# Altium PCB CHAHARDOLI-7 ADAD METAL.PcbDoc (part 2 of 11) (continued)
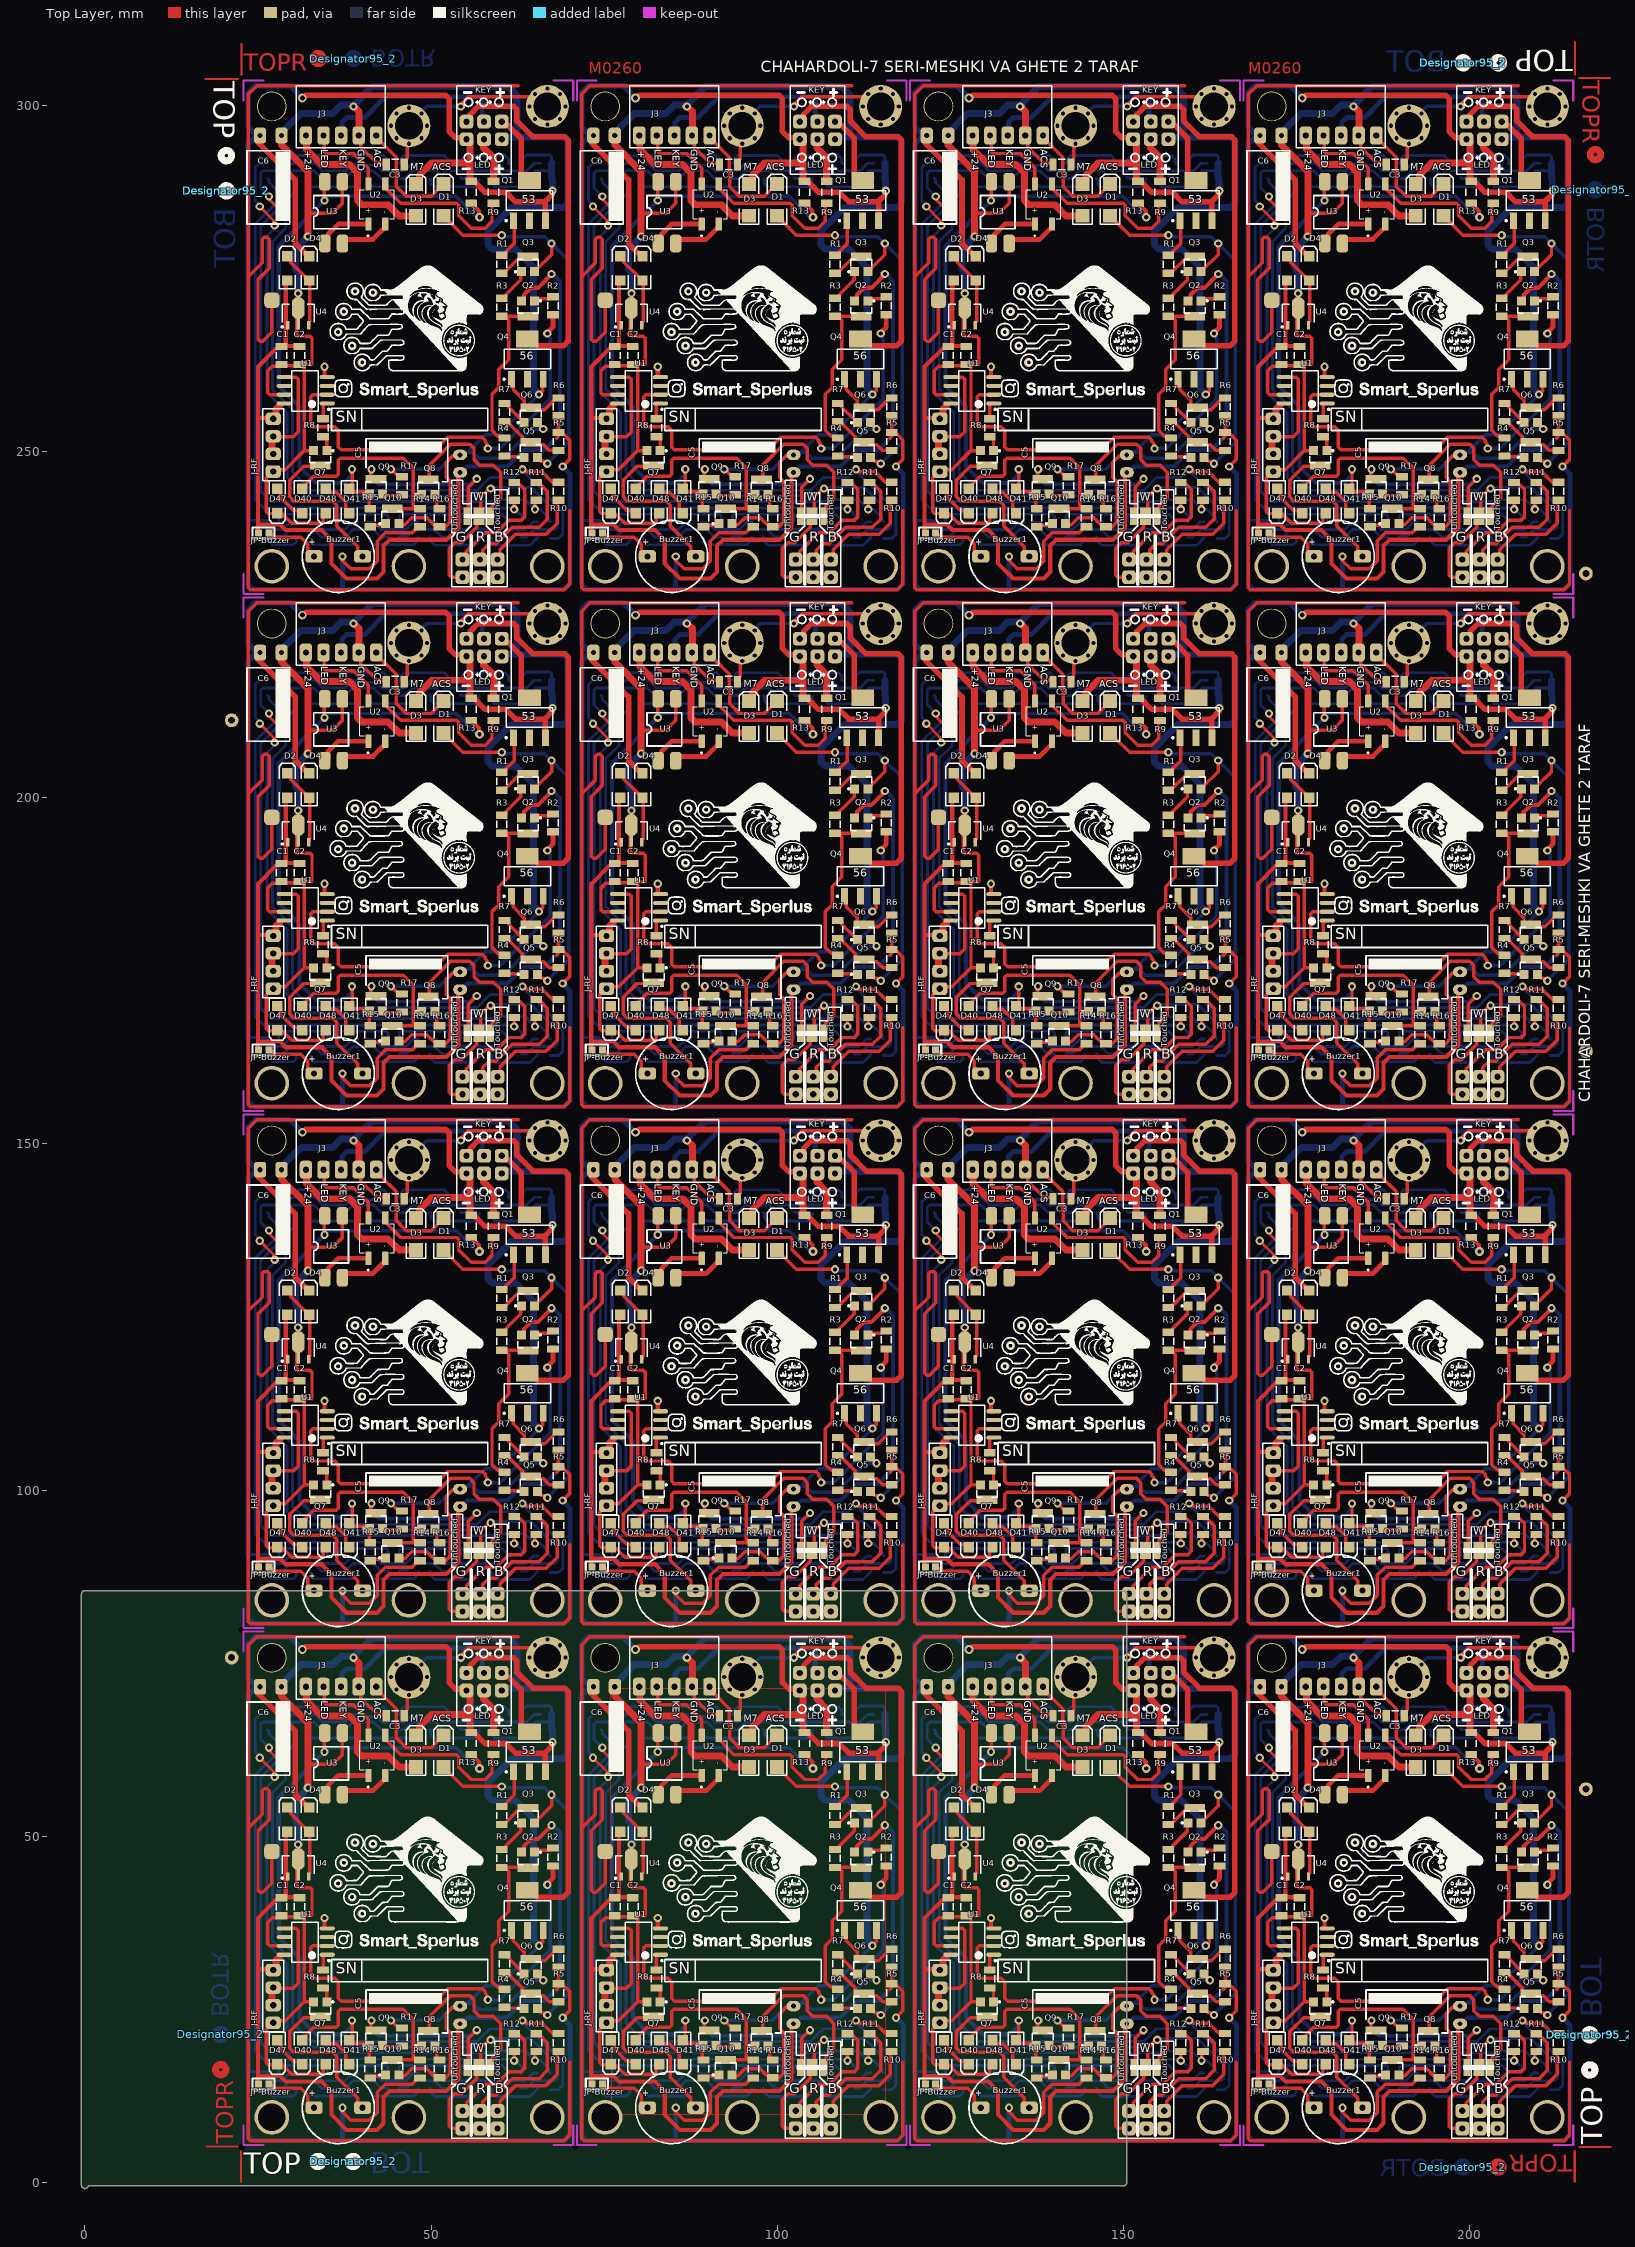
[diagram p0: Top Layer view]
## Components (designator, comment, footprint, x,y, rotation, side; value= is the part's Value field where it differs from the comment) (continued)
R "LED2" "RES 0805 (2012X06L)" 79.545,289.464 r180 bottom (schematic designator 2)
R1 "10K" "RES 1206 (3216X08L)"#1 108.345,53 r90 top
R1 "10K" "RES 1206 (3216X08L)"#1 60.2,53 r90 top
R1 "10K" "RES 1206 (3216X08L)"#1 156.49,53 r90 top
R1 "10K" "RES 1206 (3216X08L)"#1 204.635,53 r90 top
R1 "10K" "RES 1206 (3216X08L)"#1 204.635,127.688 r90 top
R1 "10K" "RES 1206 (3216X08L)"#1 156.49,127.688 r90 top
R1 "10K" "RES 1206 (3216X08L)"#1 60.2,127.688 r90 top
R1 "10K" "RES 1206 (3216X08L)"#1 108.345,127.688 r90 top
R1 "10K" "RES 1206 (3216X08L)"#1 204.635,202.376 r90 top
R1 "10K" "RES 1206 (3216X08L)"#1 156.49,202.376 r90 top
R1 "10K" "RES 1206 (3216X08L)"#1 60.2,202.376 r90 top
R1 "10K" "RES 1206 (3216X08L)"#1 108.345,202.376 r90 top
R1 "10K" "RES 1206 (3216X08L)"#1 204.635,277.064 r90 top
R1 "10K" "RES 1206 (3216X08L)"#1 156.49,277.064 r90 top
R1 "10K" "RES 1206 (3216X08L)"#1 60.2,277.064 r90 top
R1 "10K" "RES 1206 (3216X08L)"#1 108.345,277.064 r90 top
R2 "10K" "RES 1206 (3216X08L)"#1 115.745,47 r90 top
R2 "10K" "RES 1206 (3216X08L)"#1 67.6,47 r90 top
R2 "10K" "RES 1206 (3216X08L)"#1 163.89,47 r90 top
R2 "10K" "RES 1206 (3216X08L)"#1 212.035,47 r90 top
R2 "10K" "RES 1206 (3216X08L)"#1 212.035,121.688 r90 top
R2 "10K" "RES 1206 (3216X08L)"#1 163.89,121.688 r90 top
R2 "10K" "RES 1206 (3216X08L)"#1 67.6,121.688 r90 top
R2 "10K" "RES 1206 (3216X08L)"#1 115.745,121.688 r90 top
R2 "10K" "RES 1206 (3216X08L)"#1 212.035,196.376 r90 top
R2 "10K" "RES 1206 (3216X08L)"#1 163.89,196.376 r90 top
R2 "10K" "RES 1206 (3216X08L)"#1 67.6,196.376 r90 top
R2 "10K" "RES 1206 (3216X08L)"#1 115.745,196.376 r90 top
R2 "10K" "RES 1206 (3216X08L)"#1 212.035,271.064 r90 top
R2 "10K" "RES 1206 (3216X08L)"#1 163.89,271.064 r90 top
R2 "10K" "RES 1206 (3216X08L)"#1 67.6,271.064 r90 top
R2 "10K" "RES 1206 (3216X08L)"#1 115.745,271.064 r90 top
R3 "10K" "RES 1206 (3216X08L)"#1 108.345,46.8 r90 top
R3 "10K" "RES 1206 (3216X08L)"#1 60.2,46.8 r90 top
R3 "10K" "RES 1206 (3216X08L)"#1 156.49,46.8 r90 top
R3 "10K" "RES 1206 (3216X08L)"#1 204.635,46.8 r90 top
R3 "10K" "RES 1206 (3216X08L)"#1 204.635,121.488 r90 top
R3 "10K" "RES 1206 (3216X08L)"#1 156.49,121.488 r90 top
R3 "10K" "RES 1206 (3216X08L)"#1 60.2,121.488 r90 top
R3 "10K" "RES 1206 (3216X08L)"#1 108.345,121.488 r90 top
R3 "10K" "RES 1206 (3216X08L)"#1 204.635,196.176 r90 top
R3 "10K" "RES 1206 (3216X08L)"#1 156.49,196.176 r90 top
R3 "10K" "RES 1206 (3216X08L)"#1 60.2,196.176 r90 top
R3 "10K" "RES 1206 (3216X08L)"#1 108.345,196.176 r90 top
R3 "10K" "RES 1206 (3216X08L)"#1 204.635,270.864 r90 top
R3 "10K" "RES 1206 (3216X08L)"#1 156.49,270.864 r90 top
R3 "10K" "RES 1206 (3216X08L)"#1 60.2,270.864 r90 top
R3 "10K" "RES 1206 (3216X08L)"#1 108.345,270.864 r90 top
R4 "10K" "RES 1206 (3216X08L)"#1 108.745,26.6 r270 top
R4 "10K" "RES 1206 (3216X08L)"#1 60.6,26.6 r270 top
R4 "10K" "RES 1206 (3216X08L)"#1 156.89,26.6 r270 top
R4 "10K" "RES 1206 (3216X08L)"#1 205.035,26.6 r270 top
R4 "10K" "RES 1206 (3216X08L)"#1 205.035,101.288 r270 top
R4 "10K" "RES 1206 (3216X08L)"#1 156.89,101.288 r270 top
R4 "10K" "RES 1206 (3216X08L)"#1 60.6,101.288 r270 top
R4 "10K" "RES 1206 (3216X08L)"#1 108.745,101.288 r270 top
R4 "10K" "RES 1206 (3216X08L)"#1 205.035,175.976 r270 top
R4 "10K" "RES 1206 (3216X08L)"#1 156.89,175.976 r270 top
R4 "10K" "RES 1206 (3216X08L)"#1 60.6,175.976 r270 top
R4 "10K" "RES 1206 (3216X08L)"#1 108.745,175.976 r270 top
R4 "10K" "RES 1206 (3216X08L)"#1 205.035,250.664 r270 top
R4 "10K" "RES 1206 (3216X08L)"#1 156.89,250.664 r270 top
R4 "10K" "RES 1206 (3216X08L)"#1 60.6,250.664 r270 top
R4 "10K" "RES 1206 (3216X08L)"#1 108.745,250.664 r270 top
R5 "10K" "RES 1206 (3216X08L)"#1 116.545,27.4 r90 top
R5 "10K" "RES 1206 (3216X08L)"#1 68.4,27.4 r90 top
R5 "10K" "RES 1206 (3216X08L)"#1 164.69,27.4 r90 top
R5 "10K" "RES 1206 (3216X08L)"#1 212.835,27.4 r90 top
R5 "10K" "RES 1206 (3216X08L)"#1 212.835,102.088 r90 top
R5 "10K" "RES 1206 (3216X08L)"#1 164.69,102.088 r90 top
R5 "10K" "RES 1206 (3216X08L)"#1 68.4,102.088 r90 top
R5 "10K" "RES 1206 (3216X08L)"#1 116.545,102.088 r90 top
R5 "10K" "RES 1206 (3216X08L)"#1 212.835,176.776 r90 top
R5 "10K" "RES 1206 (3216X08L)"#1 164.69,176.776 r90 top
R5 "10K" "RES 1206 (3216X08L)"#1 68.4,176.776 r90 top
R5 "10K" "RES 1206 (3216X08L)"#1 116.545,176.776 r90 top
R5 "10K" "RES 1206 (3216X08L)"#1 212.835,251.464 r90 top
R5 "10K" "RES 1206 (3216X08L)"#1 164.69,251.464 r90 top
R5 "10K" "RES 1206 (3216X08L)"#1 68.4,251.464 r90 top
R5 "10K" "RES 1206 (3216X08L)"#1 116.545,251.464 r90 top
R6 "10K" "RES 1206 (3216X08L)"#1 116.545,32.4 r90 top
R6 "10K" "RES 1206 (3216X08L)"#1 68.4,32.4 r90 top
R6 "10K" "RES 1206 (3216X08L)"#1 164.69,32.4 r90 top
R6 "10K" "RES 1206 (3216X08L)"#1 212.835,32.4 r90 top
R6 "10K" "RES 1206 (3216X08L)"#1 212.835,107.088 r90 top
R6 "10K" "RES 1206 (3216X08L)"#1 164.69,107.088 r90 top
R6 "10K" "RES 1206 (3216X08L)"#1 68.4,107.088 r90 top
R6 "10K" "RES 1206 (3216X08L)"#1 116.545,107.088 r90 top
R6 "10K" "RES 1206 (3216X08L)"#1 212.835,181.776 r90 top
R6 "10K" "RES 1206 (3216X08L)"#1 164.69,181.776 r90 top
R6 "10K" "RES 1206 (3216X08L)"#1 68.4,181.776 r90 top
R6 "10K" "RES 1206 (3216X08L)"#1 116.545,181.776 r90 top
R6 "10K" "RES 1206 (3216X08L)"#1 212.835,256.464 r90 top
R6 "10K" "RES 1206 (3216X08L)"#1 164.69,256.464 r90 top
R6 "10K" "RES 1206 (3216X08L)"#1 68.4,256.464 r90 top
R6 "10K" "RES 1206 (3216X08L)"#1 116.545,256.464 r90 top
R7 "10K" "RES 1206 (3216X08L)"#1 108.745,31.6 r90 top
R7 "10K" "RES 1206 (3216X08L)"#1 60.6,31.6 r90 top
R7 "10K" "RES 1206 (3216X08L)"#1 156.89,31.6 r90 top
R7 "10K" "RES 1206 (3216X08L)"#1 205.035,31.6 r90 top
R7 "10K" "RES 1206 (3216X08L)"#1 205.035,106.288 r90 top
R7 "10K" "RES 1206 (3216X08L)"#1 156.89,106.288 r90 top
R7 "10K" "RES 1206 (3216X08L)"#1 60.6,106.288 r90 top
R7 "10K" "RES 1206 (3216X08L)"#1 108.745,106.288 r90 top
R7 "10K" "RES 1206 (3216X08L)"#1 205.035,180.976 r90 top
R7 "10K" "RES 1206 (3216X08L)"#1 156.89,180.976 r90 top
R7 "10K" "RES 1206 (3216X08L)"#1 60.6,180.976 r90 top
R7 "10K" "RES 1206 (3216X08L)"#1 108.745,180.976 r90 top
R7 "10K" "RES 1206 (3216X08L)"#1 205.035,255.664 r90 top
R7 "10K" "RES 1206 (3216X08L)"#1 156.89,255.664 r90 top
R7 "10K" "RES 1206 (3216X08L)"#1 60.6,255.664 r90 top
R7 "10K" "RES 1206 (3216X08L)"#1 108.745,255.664 r90 top
R8 "10K" "RES 1206 (3216X08L)"#1 82.545,29.4 r270 top
R8 "10K" "RES 1206 (3216X08L)"#1 34.4,29.4 r270 top
R8 "10K" "RES 1206 (3216X08L)"#1 130.69,29.4 r270 top
R8 "10K" "RES 1206 (3216X08L)"#1 178.835,29.4 r270 top
R8 "10K" "RES 1206 (3216X08L)"#1 178.835,104.088 r270 top
R8 "10K" "RES 1206 (3216X08L)"#1 130.69,104.088 r270 top
R8 "10K" "RES 1206 (3216X08L)"#1 34.4,104.088 r270 top
R8 "10K" "RES 1206 (3216X08L)"#1 82.545,104.088 r270 top
R8 "10K" "RES 1206 (3216X08L)"#1 178.835,178.776 r270 top
R8 "10K" "RES 1206 (3216X08L)"#1 130.69,178.776 r270 top
R8 "10K" "RES 1206 (3216X08L)"#1 34.4,178.776 r270 top
R8 "10K" "RES 1206 (3216X08L)"#1 82.545,178.776 r270 top
R8 "10K" "RES 1206 (3216X08L)"#1 178.835,253.464 r270 top
R8 "10K" "RES 1206 (3216X08L)"#1 130.69,253.464 r270 top
R8 "10K" "RES 1206 (3216X08L)"#1 34.4,253.464 r270 top
R8 "10K" "RES 1206 (3216X08L)"#1 82.545,253.464 r270 top
R9 "10K" "RES 1206 (3216X08L)"#2 107.145,63.4 r270 top
R9 "10K" "RES 1206 (3216X08L)"#2 59,63.4 r270 top
R9 "10K" "RES 1206 (3216X08L)"#2 155.29,63.4 r270 top
R9 "10K" "RES 1206 (3216X08L)"#2 203.435,63.4 r270 top
R9 "10K" "RES 1206 (3216X08L)"#2 203.435,138.088 r270 top
R9 "10K" "RES 1206 (3216X08L)"#2 155.29,138.088 r270 top
R9 "10K" "RES 1206 (3216X08L)"#2 59,138.088 r270 top
R9 "10K" "RES 1206 (3216X08L)"#2 107.145,138.088 r270 top
R9 "10K" "RES 1206 (3216X08L)"#2 203.435,212.776 r270 top
R9 "10K" "RES 1206 (3216X08L)"#2 155.29,212.776 r270 top
R9 "10K" "RES 1206 (3216X08L)"#2 59,212.776 r270 top
R9 "10K" "RES 1206 (3216X08L)"#2 107.145,212.776 r270 top
R9 "10K" "RES 1206 (3216X08L)"#2 203.435,287.464 r270 top
R9 "10K" "RES 1206 (3216X08L)"#2 155.29,287.464 r270 top
R9 "10K" "RES 1206 (3216X08L)"#2 59,287.464 r270 top
R9 "10K" "RES 1206 (3216X08L)"#2 107.145,287.464 r270 top
R10 "10K" "RES 1206 (3216X08L)"#1 116.545,20.2 r90 top
R10 "10K" "RES 1206 (3216X08L)"#1 68.4,20.2 r90 top
R10 "10K" "RES 1206 (3216X08L)"#1 164.69,20.2 r90 top
R10 "10K" "RES 1206 (3216X08L)"#1 212.835,20.2 r90 top
R10 "10K" "RES 1206 (3216X08L)"#1 212.835,94.888 r90 top
R10 "10K" "RES 1206 (3216X08L)"#1 164.69,94.888 r90 top
R10 "10K" "RES 1206 (3216X08L)"#1 68.4,94.888 r90 top
R10 "10K" "RES 1206 (3216X08L)"#1 116.545,94.888 r90 top
R10 "10K" "RES 1206 (3216X08L)"#1 212.835,169.576 r90 top
R10 "10K" "RES 1206 (3216X08L)"#1 164.69,169.576 r90 top
R10 "10K" "RES 1206 (3216X08L)"#1 68.4,169.576 r90 top
R10 "10K" "RES 1206 (3216X08L)"#1 116.545,169.576 r90 top
R10 "10K" "RES 1206 (3216X08L)"#1 212.835,244.264 r90 top
R10 "10K" "RES 1206 (3216X08L)"#1 164.69,244.264 r90 top
R10 "10K" "RES 1206 (3216X08L)"#1 68.4,244.264 r90 top
R10 "10K" "RES 1206 (3216X08L)"#1 116.545,244.264 r90 top
R11 "10K" "RES 1206 (3216X08L)"#1 113.345,20.2 r270 top
R11 "10K" "RES 1206 (3216X08L)"#1 65.2,20.2 r270 top
R11 "10K" "RES 1206 (3216X08L)"#1 161.49,20.2 r270 top
R11 "10K" "RES 1206 (3216X08L)"#1 209.635,20.2 r270 top
R11 "10K" "RES 1206 (3216X08L)"#1 209.635,94.888 r270 top
R11 "10K" "RES 1206 (3216X08L)"#1 161.49,94.888 r270 top
R11 "10K" "RES 1206 (3216X08L)"#1 65.2,94.888 r270 top
R11 "10K" "RES 1206 (3216X08L)"#1 113.345,94.888 r270 top
R11 "10K" "RES 1206 (3216X08L)"#1 209.635,169.576 r270 top
R11 "10K" "RES 1206 (3216X08L)"#1 161.49,169.576 r270 top
R11 "10K" "RES 1206 (3216X08L)"#1 65.2,169.576 r270 top
R11 "10K" "RES 1206 (3216X08L)"#1 113.345,169.576 r270 top
R11 "10K" "RES 1206 (3216X08L)"#1 209.635,244.264 r270 top
R11 "10K" "RES 1206 (3216X08L)"#1 161.49,244.264 r270 top
R11 "10K" "RES 1206 (3216X08L)"#1 65.2,244.264 r270 top
R11 "10K" "RES 1206 (3216X08L)"#1 113.345,244.264 r270 top
R12 "10K" "RES 1206 (3216X08L)"#1 110.145,20.2 r270 top
R12 "10K" "RES 1206 (3216X08L)"#1 62,20.2 r270 top
R12 "10K" "RES 1206 (3216X08L)"#1 158.29,20.2 r270 top
R12 "10K" "RES 1206 (3216X08L)"#1 206.435,20.2 r270 top
R12 "10K" "RES 1206 (3216X08L)"#1 206.435,94.888 r270 top
R12 "10K" "RES 1206 (3216X08L)"#1 158.29,94.888 r270 top
R12 "10K" "RES 1206 (3216X08L)"#1 62,94.888 r270 top
R12 "10K" "RES 1206 (3216X08L)"#1 110.145,94.888 r270 top
R12 "10K" "RES 1206 (3216X08L)"#1 206.435,169.576 r270 top
R12 "10K" "RES 1206 (3216X08L)"#1 158.29,169.576 r270 top
R12 "10K" "RES 1206 (3216X08L)"#1 62,169.576 r270 top
R12 "10K" "RES 1206 (3216X08L)"#1 110.145,169.576 r270 top
R12 "10K" "RES 1206 (3216X08L)"#1 206.435,244.264 r270 top
R12 "10K" "RES 1206 (3216X08L)"#1 158.29,244.264 r270 top
R12 "10K" "RES 1206 (3216X08L)"#1 62,244.264 r270 top
R12 "10K" "RES 1206 (3216X08L)"#1 110.145,244.264 r270 top
R13 "10K" "RES 1206 (3216X08L)"#2 103.945,63.4 r90 top
R13 "10K" "RES 1206 (3216X08L)"#2 55.8,63.4 r90 top
R13 "10K" "RES 1206 (3216X08L)"#2 152.09,63.4 r90 top
R13 "10K" "RES 1206 (3216X08L)"#2 200.235,63.4 r90 top
R13 "10K" "RES 1206 (3216X08L)"#2 200.235,138.088 r90 top
R13 "10K" "RES 1206 (3216X08L)"#2 152.09,138.088 r90 top
R13 "10K" "RES 1206 (3216X08L)"#2 55.8,138.088 r90 top
R13 "10K" "RES 1206 (3216X08L)"#2 103.945,138.088 r90 top
R13 "10K" "RES 1206 (3216X08L)"#2 200.235,212.776 r90 top
R13 "10K" "RES 1206 (3216X08L)"#2 152.09,212.776 r90 top
R13 "10K" "RES 1206 (3216X08L)"#2 55.8,212.776 r90 top
R13 "10K" "RES 1206 (3216X08L)"#2 103.945,212.776 r90 top
R13 "10K" "RES 1206 (3216X08L)"#2 200.235,287.464 r90 top
R13 "10K" "RES 1206 (3216X08L)"#2 152.09,287.464 r90 top
R13 "10K" "RES 1206 (3216X08L)"#2 55.8,287.464 r90 top
R13 "10K" "RES 1206 (3216X08L)"#2 103.945,287.464 r90 top
R14 "10K" "RES 1206 (3216X08L)"#1 96.545,16.4 r270 top
R14 "10K" "RES 1206 (3216X08L)"#1 48.4,16.4 r270 top
R14 "10K" "RES 1206 (3216X08L)"#1 144.69,16.4 r270 top
R14 "10K" "RES 1206 (3216X08L)"#1 192.835,16.4 r270 top
R14 "10K" "RES 1206 (3216X08L)"#1 192.835,91.088 r270 top
R14 "10K" "RES 1206 (3216X08L)"#1 144.69,91.088 r270 top
R14 "10K" "RES 1206 (3216X08L)"#1 48.4,91.088 r270 top
R14 "10K" "RES 1206 (3216X08L)"#1 96.545,91.088 r270 top
R14 "10K" "RES 1206 (3216X08L)"#1 192.835,165.776 r270 top
R14 "10K" "RES 1206 (3216X08L)"#1 144.69,165.776 r270 top
R14 "10K" "RES 1206 (3216X08L)"#1 48.4,165.776 r270 top
R14 "10K" "RES 1206 (3216X08L)"#1 96.545,165.776 r270 top
R14 "10K" "RES 1206 (3216X08L)"#1 192.835,240.464 r270 top
R14 "10K" "RES 1206 (3216X08L)"#1 144.69,240.464 r270 top
R14 "10K" "RES 1206 (3216X08L)"#1 48.4,240.464 r270 top
R14 "10K" "RES 1206 (3216X08L)"#1 96.545,240.464 r270 top
R15 "10K" "RES 1206 (3216X08L)"#1 89.345,16.4 r270 top
R15 "10K" "RES 1206 (3216X08L)"#1 41.2,16.4 r270 top
R15 "10K" "RES 1206 (3216X08L)"#1 137.49,16.4 r270 top
R15 "10K" "RES 1206 (3216X08L)"#1 185.635,16.4 r270 top
R15 "10K" "RES 1206 (3216X08L)"#1 185.635,91.088 r270 top
R15 "10K" "RES 1206 (3216X08L)"#1 137.49,91.088 r270 top
R15 "10K" "RES 1206 (3216X08L)"#1 41.2,91.088 r270 top
R15 "10K" "RES 1206 (3216X08L)"#1 89.345,91.088 r270 top
R15 "10K" "RES 1206 (3216X08L)"#1 185.635,165.776 r270 top
R15 "10K" "RES 1206 (3216X08L)"#1 137.49,165.776 r270 top
R15 "10K" "RES 1206 (3216X08L)"#1 41.2,165.776 r270 top
R15 "10K" "RES 1206 (3216X08L)"#1 89.345,165.776 r270 top
R15 "10K" "RES 1206 (3216X08L)"#1 185.635,240.464 r270 top
R15 "10K" "RES 1206 (3216X08L)"#1 137.49,240.464 r270 top
R15 "10K" "RES 1206 (3216X08L)"#1 41.2,240.464 r270 top
R15 "10K" "RES 1206 (3216X08L)"#1 89.345,240.464 r270 top
R16 "10K" "RES 1206 (3216X08L)"#1 99.345,16.4 r90 top
R16 "10K" "RES 1206 (3216X08L)"#1 51.2,16.4 r90 top
R16 "10K" "RES 1206 (3216X08L)"#1 147.49,16.4 r90 top
R16 "10K" "RES 1206 (3216X08L)"#1 195.635,16.4 r90 top
R16 "10K" "RES 1206 (3216X08L)"#1 195.635,91.088 r90 top
R16 "10K" "RES 1206 (3216X08L)"#1 147.49,91.088 r90 top
R16 "10K" "RES 1206 (3216X08L)"#1 51.2,91.088 r90 top
R16 "10K" "RES 1206 (3216X08L)"#1 99.345,91.088 r90 top
R16 "10K" "RES 1206 (3216X08L)"#1 195.635,165.776 r90 top
R16 "10K" "RES 1206 (3216X08L)"#1 147.49,165.776 r90 top
R16 "10K" "RES 1206 (3216X08L)"#1 51.2,165.776 r90 top
R16 "10K" "RES 1206 (3216X08L)"#1 99.345,165.776 r90 top
R16 "10K" "RES 1206 (3216X08L)"#1 195.635,240.464 r90 top
R16 "10K" "RES 1206 (3216X08L)"#1 147.49,240.464 r90 top
R16 "10K" "RES 1206 (3216X08L)"#1 51.2,240.464 r90 top
R16 "10K" "RES 1206 (3216X08L)"#1 99.345,240.464 r90 top
R17 "10K" "RES 1206 (3216X08L)"#1 93.945,21 r270 top
R17 "10K" "RES 1206 (3216X08L)"#1 45.8,21 r270 top
R17 "10K" "RES 1206 (3216X08L)"#1 142.09,21 r270 top
R17 "10K" "RES 1206 (3216X08L)"#1 190.235,21 r270 top
R17 "10K" "RES 1206 (3216X08L)"#1 190.235,95.688 r270 top
R17 "10K" "RES 1206 (3216X08L)"#1 142.09,95.688 r270 top
R17 "10K" "RES 1206 (3216X08L)"#1 45.8,95.688 r270 top
R17 "10K" "RES 1206 (3216X08L)"#1 93.945,95.688 r270 top
R17 "10K" "RES 1206 (3216X08L)"#1 190.235,170.376 r270 top
R17 "10K" "RES 1206 (3216X08L)"#1 142.09,170.376 r270 top
R17 "10K" "RES 1206 (3216X08L)"#1 45.8,170.376 r270 top
R17 "10K" "RES 1206 (3216X08L)"#1 93.945,170.376 r270 top
R17 "10K" "RES 1206 (3216X08L)"#1 190.235,245.064 r270 top
R17 "10K" "RES 1206 (3216X08L)"#1 142.09,245.064 r270 top
R17 "10K" "RES 1206 (3216X08L)"#1 45.8,245.064 r270 top
R17 "10K" "RES 1206 (3216X08L)"#1 93.945,245.064 r270 top
U1 "ATtiny15L-1SC" 8S2_N 79.945,34.8 r180 top
U1 "ATtiny15L-1SC" 8S2_N 31.8,34.8 r180 top
U1 "ATtiny15L-1SC" 8S2_N 128.09,34.8 r180 top
U1 "ATtiny15L-1SC" 8S2_N 176.235,34.8 r180 top
U1 "ATtiny15L-1SC" 8S2_N 176.235,109.488 r180 top
U1 "ATtiny15L-1SC" 8S2_N 128.09,109.488 r180 top
U1 "ATtiny15L-1SC" 8S2_N 31.8,109.488 r180 top
U1 "ATtiny15L-1SC" 8S2_N 79.945,109.488 r180 top
U1 "ATtiny15L-1SC" 8S2_N 176.235,184.176 r180 top
U1 "ATtiny15L-1SC" 8S2_N 128.09,184.176 r180 top
U1 "ATtiny15L-1SC" 8S2_N 31.8,184.176 r180 top
U1 "ATtiny15L-1SC" 8S2_N 79.945,184.176 r180 top
U1 "ATtiny15L-1SC" 8S2_N 176.235,258.864 r180 top
U1 "ATtiny15L-1SC" 8S2_N 128.09,258.864 r180 top
U1 "ATtiny15L-1SC" 8S2_N 31.8,258.864 r180 top
U1 "ATtiny15L-1SC" 8S2_N 79.945,258.864 r180 top
U2 "MB6S" SOIC245P670X270-4N 90.32,61.7 r90 top
U2 "MB6S" SOIC245P670X270-4N 42.175,61.7 r90 top
U2 "MB6S" SOIC245P670X270-4N 138.465,61.7 r90 top
U2 "MB6S" SOIC245P670X270-4N 186.61,61.7 r90 top
U2 "MB6S" SOIC245P670X270-4N 186.61,136.388 r90 top
U2 "MB6S" SOIC245P670X270-4N 138.465,136.388 r90 top
U2 "MB6S" SOIC245P670X270-4N 42.175,136.388 r90 top
U2 "MB6S" SOIC245P670X270-4N 90.32,136.388 r90 top
U2 "MB6S" SOIC245P670X270-4N 186.61,211.076 r90 top
U2 "MB6S" SOIC245P670X270-4N 138.465,211.076 r90 top
U2 "MB6S" SOIC245P670X270-4N 42.175,211.076 r90 top
U2 "MB6S" SOIC245P670X270-4N 90.32,211.076 r90 top
U2 "MB6S" SOIC245P670X270-4N 186.61,285.764 r90 top
U2 "MB6S" SOIC245P670X270-4N 138.465,285.764 r90 top
U2 "MB6S" SOIC245P670X270-4N 42.175,285.764 r90 top
U2 "MB6S" SOIC245P670X270-4N 90.32,285.764 r90 top
U3 "PC817" DIP4 82.805,56.7 r90 top
U3 "PC817" DIP4 34.66,56.7 r90 top
U3 "PC817" DIP4 130.95,56.7 r90 top
U3 "PC817" DIP4 179.095,56.7 r90 top
U3 "PC817" DIP4 179.095,131.388 r90 top
U3 "PC817" DIP4 130.95,131.388 r90 top
U3 "PC817" DIP4 34.66,131.388 r90 top
U3 "PC817" DIP4 82.805,131.388 r90 top
U3 "PC817" DIP4 179.095,206.076 r90 top
U3 "PC817" DIP4 130.95,206.076 r90 top
U3 "PC817" DIP4 34.66,206.076 r90 top
U3 "PC817" DIP4 82.805,206.076 r90 top
U3 "PC817" DIP4 179.095,280.764 r90 top
U3 "PC817" DIP4 130.95,280.764 r90 top
U3 "PC817" DIP4 34.66,280.764 r90 top
U3 "PC817" DIP4 82.805,280.764 r90 top
U4 "LM1117MP-3.3" SOT89L 78.945,45.9 r90 top
U4 "LM1117MP-3.3" SOT89L 30.8,45.9 r90 top
U4 "LM1117MP-3.3" SOT89L 127.09,45.9 r90 top
U4 "LM1117MP-3.3" SOT89L 175.235,45.9 r90 top
U4 "LM1117MP-3.3" SOT89L 175.235,120.588 r90 top
U4 "LM1117MP-3.3" SOT89L 127.09,120.588 r90 top
U4 "LM1117MP-3.3" SOT89L 30.8,120.588 r90 top
U4 "LM1117MP-3.3" SOT89L 78.945,120.588 r90 top
U4 "LM1117MP-3.3" SOT89L 175.235,195.276 r90 top
U4 "LM1117MP-3.3" SOT89L 127.09,195.276 r90 top
U4 "LM1117MP-3.3" SOT89L 30.8,195.276 r90 top
U4 "LM1117MP-3.3" SOT89L 78.945,195.276 r90 top
U4 "LM1117MP-3.3" SOT89L 175.235,269.964 r90 top
U4 "LM1117MP-3.3" SOT89L 127.09,269.964 r90 top
U4 "LM1117MP-3.3" SOT89L 30.8,269.964 r90 top
U4 "LM1117MP-3.3" SOT89L 78.945,269.964 r90 top
w "LED2" "RES 0805 (2012X06L)" 75.345,67.6 r180 bottom (schematic designator 1)
w "LED2" "RES 0805 (2012X06L)" 83.945,67.6 r180 bottom (schematic designator 1)
w "LED2" "RES 0805 (2012X06L)" 92.745,67.6 r180 bottom (schematic designator 1)
w "LED2" "RES 0805 (2012X06L)" 101.545,67.6 r180 bottom (schematic designator 1)
w "LED2" "RES 0805 (2012X06L)" 110.345,67.6 r180 bottom (schematic designator 1)
w "LED2" "RES 0805 (2012X06L)" 110.345,13.6 r0 bottom (schematic designator 1)
w "LED2" "RES 0805 (2012X06L)" 101.545,13.6 r0 bottom (schematic designator 1)
w "LED2" "RES 0805 (2012X06L)" 92.745,13.6 r0 bottom (schematic designator 1)
w "LED2" "RES 0805 (2012X06L)" 83.945,13.6 r0 bottom (schematic designator 1)
w "LED2" "RES 0805 (2012X06L)" 75.145,13.6 r0 bottom (schematic designator 1)
w "LED2" "RES 0805 (2012X06L)" 27,13.6 r0 bottom (schematic designator 1)
w "LED2" "RES 0805 (2012X06L)" 35.8,13.6 r0 bottom (schematic designator 1)
w "LED2" "RES 0805 (2012X06L)" 44.6,13.6 r0 bottom (schematic designator 1)
w "LED2" "RES 0805 (2012X06L)" 53.4,13.6 r0 bottom (schematic designator 1)
w "LED2" "RES 0805 (2012X06L)" 62.2,13.6 r0 bottom (schematic designator 1)
w "LED2" "RES 0805 (2012X06L)" 62.2,67.6 r180 bottom (schematic designator 1)
w "LED2" "RES 0805 (2012X06L)" 53.4,67.6 r180 bottom (schematic designator 1)
w "LED2" "RES 0805 (2012X06L)" 44.6,67.6 r180 bottom (schematic designator 1)
w "LED2" "RES 0805 (2012X06L)" 35.8,67.6 r180 bottom (schematic designator 1)
w "LED2" "RES 0805 (2012X06L)" 27.2,67.6 r180 bottom (schematic designator 1)
w "LED2" "RES 0805 (2012X06L)" 123.49,67.6 r180 bottom (schematic designator 1)
w "LED2" "RES 0805 (2012X06L)" 132.09,67.6 r180 bottom (schematic designator 1)
w "LED2" "RES 0805 (2012X06L)" 140.89,67.6 r180 bottom (schematic designator 1)
w "LED2" "RES 0805 (2012X06L)" 149.69,67.6 r180 bottom (schematic designator 1)
w "LED2" "RES 0805 (2012X06L)" 158.49,67.6 r180 bottom (schematic designator 1)
w "LED2" "RES 0805 (2012X06L)" 158.49,13.6 r0 bottom (schematic designator 1)
w "LED2" "RES 0805 (2012X06L)" 149.69,13.6 r0 bottom (schematic designator 1)
w "LED2" "RES 0805 (2012X06L)" 140.89,13.6 r0 bottom (schematic designator 1)
w "LED2" "RES 0805 (2012X06L)" 132.09,13.6 r0 bottom (schematic designator 1)
w "LED2" "RES 0805 (2012X06L)" 123.29,13.6 r0 bottom (schematic designator 1)
w "LED2" "RES 0805 (2012X06L)" 171.435,13.6 r0 bottom (schematic designator 1)
w "LED2" "RES 0805 (2012X06L)" 180.235,13.6 r0 bottom (schematic designator 1)
w "LED2" "RES 0805 (2012X06L)" 189.035,13.6 r0 bottom (schematic designator 1)
w "LED2" "RES 0805 (2012X06L)" 197.835,13.6 r0 bottom (schematic designator 1)
w "LED2" "RES 0805 (2012X06L)" 206.635,13.6 r0 bottom (schematic designator 1)
w "LED2" "RES 0805 (2012X06L)" 206.635,67.6 r180 bottom (schematic designator 1)
w "LED2" "RES 0805 (2012X06L)" 197.835,67.6 r180 bottom (schematic designator 1)
w "LED2" "RES 0805 (2012X06L)" 189.035,67.6 r180 bottom (schematic designator 1)
w "LED2" "RES 0805 (2012X06L)" 180.235,67.6 r180 bottom (schematic designator 1)
w "LED2" "RES 0805 (2012X06L)" 171.635,67.6 r180 bottom (schematic designator 1)
w "LED2" "RES 0805 (2012X06L)" 171.635,142.288 r180 bottom (schematic designator 1)
w "LED2" "RES 0805 (2012X06L)" 180.235,142.288 r180 bottom (schematic designator 1)
w "LED2" "RES 0805 (2012X06L)" 189.035,142.288 r180 bottom (schematic designator 1)
w "LED2" "RES 0805 (2012X06L)" 197.835,142.288 r180 bottom (schematic designator 1)
w "LED2" "RES 0805 (2012X06L)" 206.635,142.288 r180 bottom (schematic designator 1)
w "LED2" "RES 0805 (2012X06L)" 206.635,88.288 r0 bottom (schematic designator 1)
w "LED2" "RES 0805 (2012X06L)" 197.835,88.288 r0 bottom (schematic designator 1)
w "LED2" "RES 0805 (2012X06L)" 189.035,88.288 r0 bottom (schematic designator 1)
w "LED2" "RES 0805 (2012X06L)" 180.235,88.288 r0 bottom (schematic designator 1)
w "LED2" "RES 0805 (2012X06L)" 171.435,88.288 r0 bottom (schematic designator 1)
w "LED2" "RES 0805 (2012X06L)" 123.29,88.288 r0 bottom (schematic designator 1)
w "LED2" "RES 0805 (2012X06L)" 132.09,88.288 r0 bottom (schematic designator 1)
w "LED2" "RES 0805 (2012X06L)" 140.89,88.288 r0 bottom (schematic designator 1)
w "LED2" "RES 0805 (2012X06L)" 149.69,88.288 r0 bottom (schematic designator 1)
w "LED2" "RES 0805 (2012X06L)" 158.49,88.288 r0 bottom (schematic designator 1)
w "LED2" "RES 0805 (2012X06L)" 158.49,142.288 r180 bottom (schematic designator 1)
w "LED2" "RES 0805 (2012X06L)" 149.69,142.288 r180 bottom (schematic designator 1)
w "LED2" "RES 0805 (2012X06L)" 140.89,142.288 r180 bottom (schematic designator 1)
w "LED2" "RES 0805 (2012X06L)" 132.09,142.288 r180 bottom (schematic designator 1)
w "LED2" "RES 0805 (2012X06L)" 123.49,142.288 r180 bottom (schematic designator 1)
w "LED2" "RES 0805 (2012X06L)" 27.2,142.288 r180 bottom (schematic designator 1)
w "LED2" "RES 0805 (2012X06L)" 35.8,142.288 r180 bottom (schematic designator 1)
w "LED2" "RES 0805 (2012X06L)" 44.6,142.288 r180 bottom (schematic designator 1)
w "LED2" "RES 0805 (2012X06L)" 53.4,142.288 r180 bottom (schematic designator 1)
w "LED2" "RES 0805 (2012X06L)" 62.2,142.288 r180 bottom (schematic designator 1)
w "LED2" "RES 0805 (2012X06L)" 62.2,88.288 r0 bottom (schematic designator 1)
w "LED2" "RES 0805 (2012X06L)" 53.4,88.288 r0 bottom (schematic designator 1)
w "LED2" "RES 0805 (2012X06L)" 44.6,88.288 r0 bottom (schematic designator 1)
w "LED2" "RES 0805 (2012X06L)" 35.8,88.288 r0 bottom (schematic designator 1)
w "LED2" "RES 0805 (2012X06L)" 27,88.288 r0 bottom (schematic designator 1)
w "LED2" "RES 0805 (2012X06L)" 75.145,88.288 r0 bottom (schematic designator 1)
w "LED2" "RES 0805 (2012X06L)" 83.945,88.288 r0 bottom (schematic designator 1)
w "LED2" "RES 0805 (2012X06L)" 92.745,88.288 r0 bottom (schematic designator 1)
w "LED2" "RES 0805 (2012X06L)" 101.545,88.288 r0 bottom (schematic designator 1)
w "LED2" "RES 0805 (2012X06L)" 110.345,88.288 r0 bottom (schematic designator 1)
w "LED2" "RES 0805 (2012X06L)" 110.345,142.288 r180 bottom (schematic designator 1)
w "LED2" "RES 0805 (2012X06L)" 101.545,142.288 r180 bottom (schematic designator 1)
w "LED2" "RES 0805 (2012X06L)" 92.745,142.288 r180 bottom (schematic designator 1)
w "LED2" "RES 0805 (2012X06L)" 83.945,142.288 r180 bottom (schematic designator 1)
w "LED2" "RES 0805 (2012X06L)" 75.345,142.288 r180 bottom (schematic designator 1)
w "LED2" "RES 0805 (2012X06L)" 171.635,216.976 r180 bottom (schematic designator 1)
w "LED2" "RES 0805 (2012X06L)" 180.235,216.976 r180 bottom (schematic designator 1)
w "LED2" "RES 0805 (2012X06L)" 189.035,216.976 r180 bottom (schematic designator 1)
w "LED2" "RES 0805 (2012X06L)" 197.835,216.976 r180 bottom (schematic designator 1)
w "LED2" "RES 0805 (2012X06L)" 206.635,216.976 r180 bottom (schematic designator 1)
w "LED2" "RES 0805 (2012X06L)" 206.635,162.976 r0 bottom (schematic designator 1)
w "LED2" "RES 0805 (2012X06L)" 197.835,162.976 r0 bottom (schematic designator 1)
w "LED2" "RES 0805 (2012X06L)" 189.035,162.976 r0 bottom (schematic designator 1)
w "LED2" "RES 0805 (2012X06L)" 180.235,162.976 r0 bottom (schematic designator 1)
w "LED2" "RES 0805 (2012X06L)" 171.435,162.976 r0 bottom (schematic designator 1)
w "LED2" "RES 0805 (2012X06L)" 123.29,162.976 r0 bottom (schematic designator 1)
w "LED2" "RES 0805 (2012X06L)" 132.09,162.976 r0 bottom (schematic designator 1)
w "LED2" "RES 0805 (2012X06L)" 140.89,162.976 r0 bottom (schematic designator 1)
w "LED2" "RES 0805 (2012X06L)" 149.69,162.976 r0 bottom (schematic designator 1)
w "LED2" "RES 0805 (2012X06L)" 158.49,162.976 r0 bottom (schematic designator 1)
w "LED2" "RES 0805 (2012X06L)" 158.49,216.976 r180 bottom (schematic designator 1)
w "LED2" "RES 0805 (2012X06L)" 149.69,216.976 r180 bottom (schematic designator 1)
w "LED2" "RES 0805 (2012X06L)" 140.89,216.976 r180 bottom (schematic designator 1)
w "LED2" "RES 0805 (2012X06L)" 132.09,216.976 r180 bottom (schematic designator 1)
w "LED2" "RES 0805 (2012X06L)" 123.49,216.976 r180 bottom (schematic designator 1)
w "LED2" "RES 0805 (2012X06L)" 27.2,216.976 r180 bottom (schematic designator 1)
w "LED2" "RES 0805 (2012X06L)" 35.8,216.976 r180 bottom (schematic designator 1)
w "LED2" "RES 0805 (2012X06L)" 44.6,216.976 r180 bottom (schematic designator 1)
w "LED2" "RES 0805 (2012X06L)" 53.4,216.976 r180 bottom (schematic designator 1)
w "LED2" "RES 0805 (2012X06L)" 62.2,216.976 r180 bottom (schematic designator 1)
w "LED2" "RES 0805 (2012X06L)" 62.2,162.976 r0 bottom (schematic designator 1)
w "LED2" "RES 0805 (2012X06L)" 53.4,162.976 r0 bottom (schematic designator 1)
w "LED2" "RES 0805 (2012X06L)" 44.6,162.976 r0 bottom (schematic designator 1)
w "LED2" "RES 0805 (2012X06L)" 35.8,162.976 r0 bottom (schematic designator 1)
w "LED2" "RES 0805 (2012X06L)" 27,162.976 r0 bottom (schematic designator 1)
w "LED2" "RES 0805 (2012X06L)" 75.145,162.976 r0 bottom (schematic designator 1)
w "LED2" "RES 0805 (2012X06L)" 83.945,162.976 r0 bottom (schematic designator 1)
w "LED2" "RES 0805 (2012X06L)" 92.745,162.976 r0 bottom (schematic designator 1)
w "LED2" "RES 0805 (2012X06L)" 101.545,162.976 r0 bottom (schematic designator 1)
w "LED2" "RES 0805 (2012X06L)" 110.345,162.976 r0 bottom (schematic designator 1)
w "LED2" "RES 0805 (2012X06L)" 110.345,216.976 r180 bottom (schematic designator 1)
w "LED2" "RES 0805 (2012X06L)" 101.545,216.976 r180 bottom (schematic designator 1)
w "LED2" "RES 0805 (2012X06L)" 92.745,216.976 r180 bottom (schematic designator 1)
w "LED2" "RES 0805 (2012X06L)" 83.945,216.976 r180 bottom (schematic designator 1)
w "LED2" "RES 0805 (2012X06L)" 75.345,216.976 r180 bottom (schematic designator 1)
w "LED2" "RES 0805 (2012X06L)" 171.635,291.664 r180 bottom (schematic designator 1)
w "LED2" "RES 0805 (2012X06L)" 180.235,291.664 r180 bottom (schematic designator 1)
w "LED2" "RES 0805 (2012X06L)" 189.035,291.664 r180 bottom (schematic designator 1)
w "LED2" "RES 0805 (2012X06L)" 197.835,291.664 r180 bottom (schematic designator 1)
w "LED2" "RES 0805 (2012X06L)" 206.635,291.664 r180 bottom (schematic designator 1)
w "LED2" "RES 0805 (2012X06L)" 206.635,237.664 r0 bottom (schematic designator 1)
w "LED2" "RES 0805 (2012X06L)" 197.835,237.664 r0 bottom (schematic designator 1)
w "LED2" "RES 0805 (2012X06L)" 189.035,237.664 r0 bottom (schematic designator 1)
w "LED2" "RES 0805 (2012X06L)" 180.235,237.664 r0 bottom (schematic designator 1)
w "LED2" "RES 0805 (2012X06L)" 171.435,237.664 r0 bottom (schematic designator 1)
w "LED2" "RES 0805 (2012X06L)" 123.29,237.664 r0 bottom (schematic designator 1)
w "LED2" "RES 0805 (2012X06L)" 132.09,237.664 r0 bottom (schematic designator 1)
w "LED2" "RES 0805 (2012X06L)" 140.89,237.664 r0 bottom (schematic designator 1)
w "LED2" "RES 0805 (2012X06L)" 149.69,237.664 r0 bottom (schematic designator 1)
w "LED2" "RES 0805 (2012X06L)" 158.49,237.664 r0 bottom (schematic designator 1)
w "LED2" "RES 0805 (2012X06L)" 158.49,291.664 r180 bottom (schematic designator 1)
w "LED2" "RES 0805 (2012X06L)" 149.69,291.664 r180 bottom (schematic designator 1)
w "LED2" "RES 0805 (2012X06L)" 140.89,291.664 r180 bottom (schematic designator 1)
w "LED2" "RES 0805 (2012X06L)" 132.09,291.664 r180 bottom (schematic designator 1)
w "LED2" "RES 0805 (2012X06L)" 123.49,291.664 r180 bottom (schematic designator 1)
w "LED2" "RES 0805 (2012X06L)" 27.2,291.664 r180 bottom (schematic designator 1)
w "LED2" "RES 0805 (2012X06L)" 35.8,291.664 r180 bottom (schematic designator 1)
w "LED2" "RES 0805 (2012X06L)" 44.6,291.664 r180 bottom (schematic designator 1)
w "LED2" "RES 0805 (2012X06L)" 53.4,291.664 r180 bottom (schematic designator 1)
w "LED2" "RES 0805 (2012X06L)" 62.2,291.664 r180 bottom (schematic designator 1)
w "LED2" "RES 0805 (2012X06L)" 62.2,237.664 r0 bottom (schematic designator 1)
w "LED2" "RES 0805 (2012X06L)" 53.4,237.664 r0 bottom (schematic designator 1)
w "LED2" "RES 0805 (2012X06L)" 44.6,237.664 r0 bottom (schematic designator 1)
w "LED2" "RES 0805 (2012X06L)" 35.8,237.664 r0 bottom (schematic designator 1)
w "LED2" "RES 0805 (2012X06L)" 27,237.664 r0 bottom (schematic designator 1)
w "LED2" "RES 0805 (2012X06L)" 75.145,237.664 r0 bottom (schematic designator 1)
w "LED2" "RES 0805 (2012X06L)" 83.945,237.664 r0 bottom (schematic designator 1)
w "LED2" "RES 0805 (2012X06L)" 92.745,237.664 r0 bottom (schematic designator 1)
w "LED2" "RES 0805 (2012X06L)" 101.545,237.664 r0 bottom (schematic designator 1)
w "LED2" "RES 0805 (2012X06L)" 110.345,237.664 r0 bottom (schematic designator 1)
w "LED2" "RES 0805 (2012X06L)" 110.345,291.664 r180 bottom (schematic designator 1)